# Altium PCB PCBDesign.PcbDoc (part 6 of 8)
Units mm, origin at the board's own origin, x right, y up, seen from the top; angles counter-clockwise.
Board outline 95 x 70 mm, 10 copper layers (L1 (Sig), L2 (GND), L3 (Sig), L4 (GND), L5 (Sig), L6 (GND), L7 (Sig), L8 (GND), L9 (PWR), L10 (Sig)), stack 1.566 mm thick; 290 components, 365 nets, 1923 pads, 1420 vias.
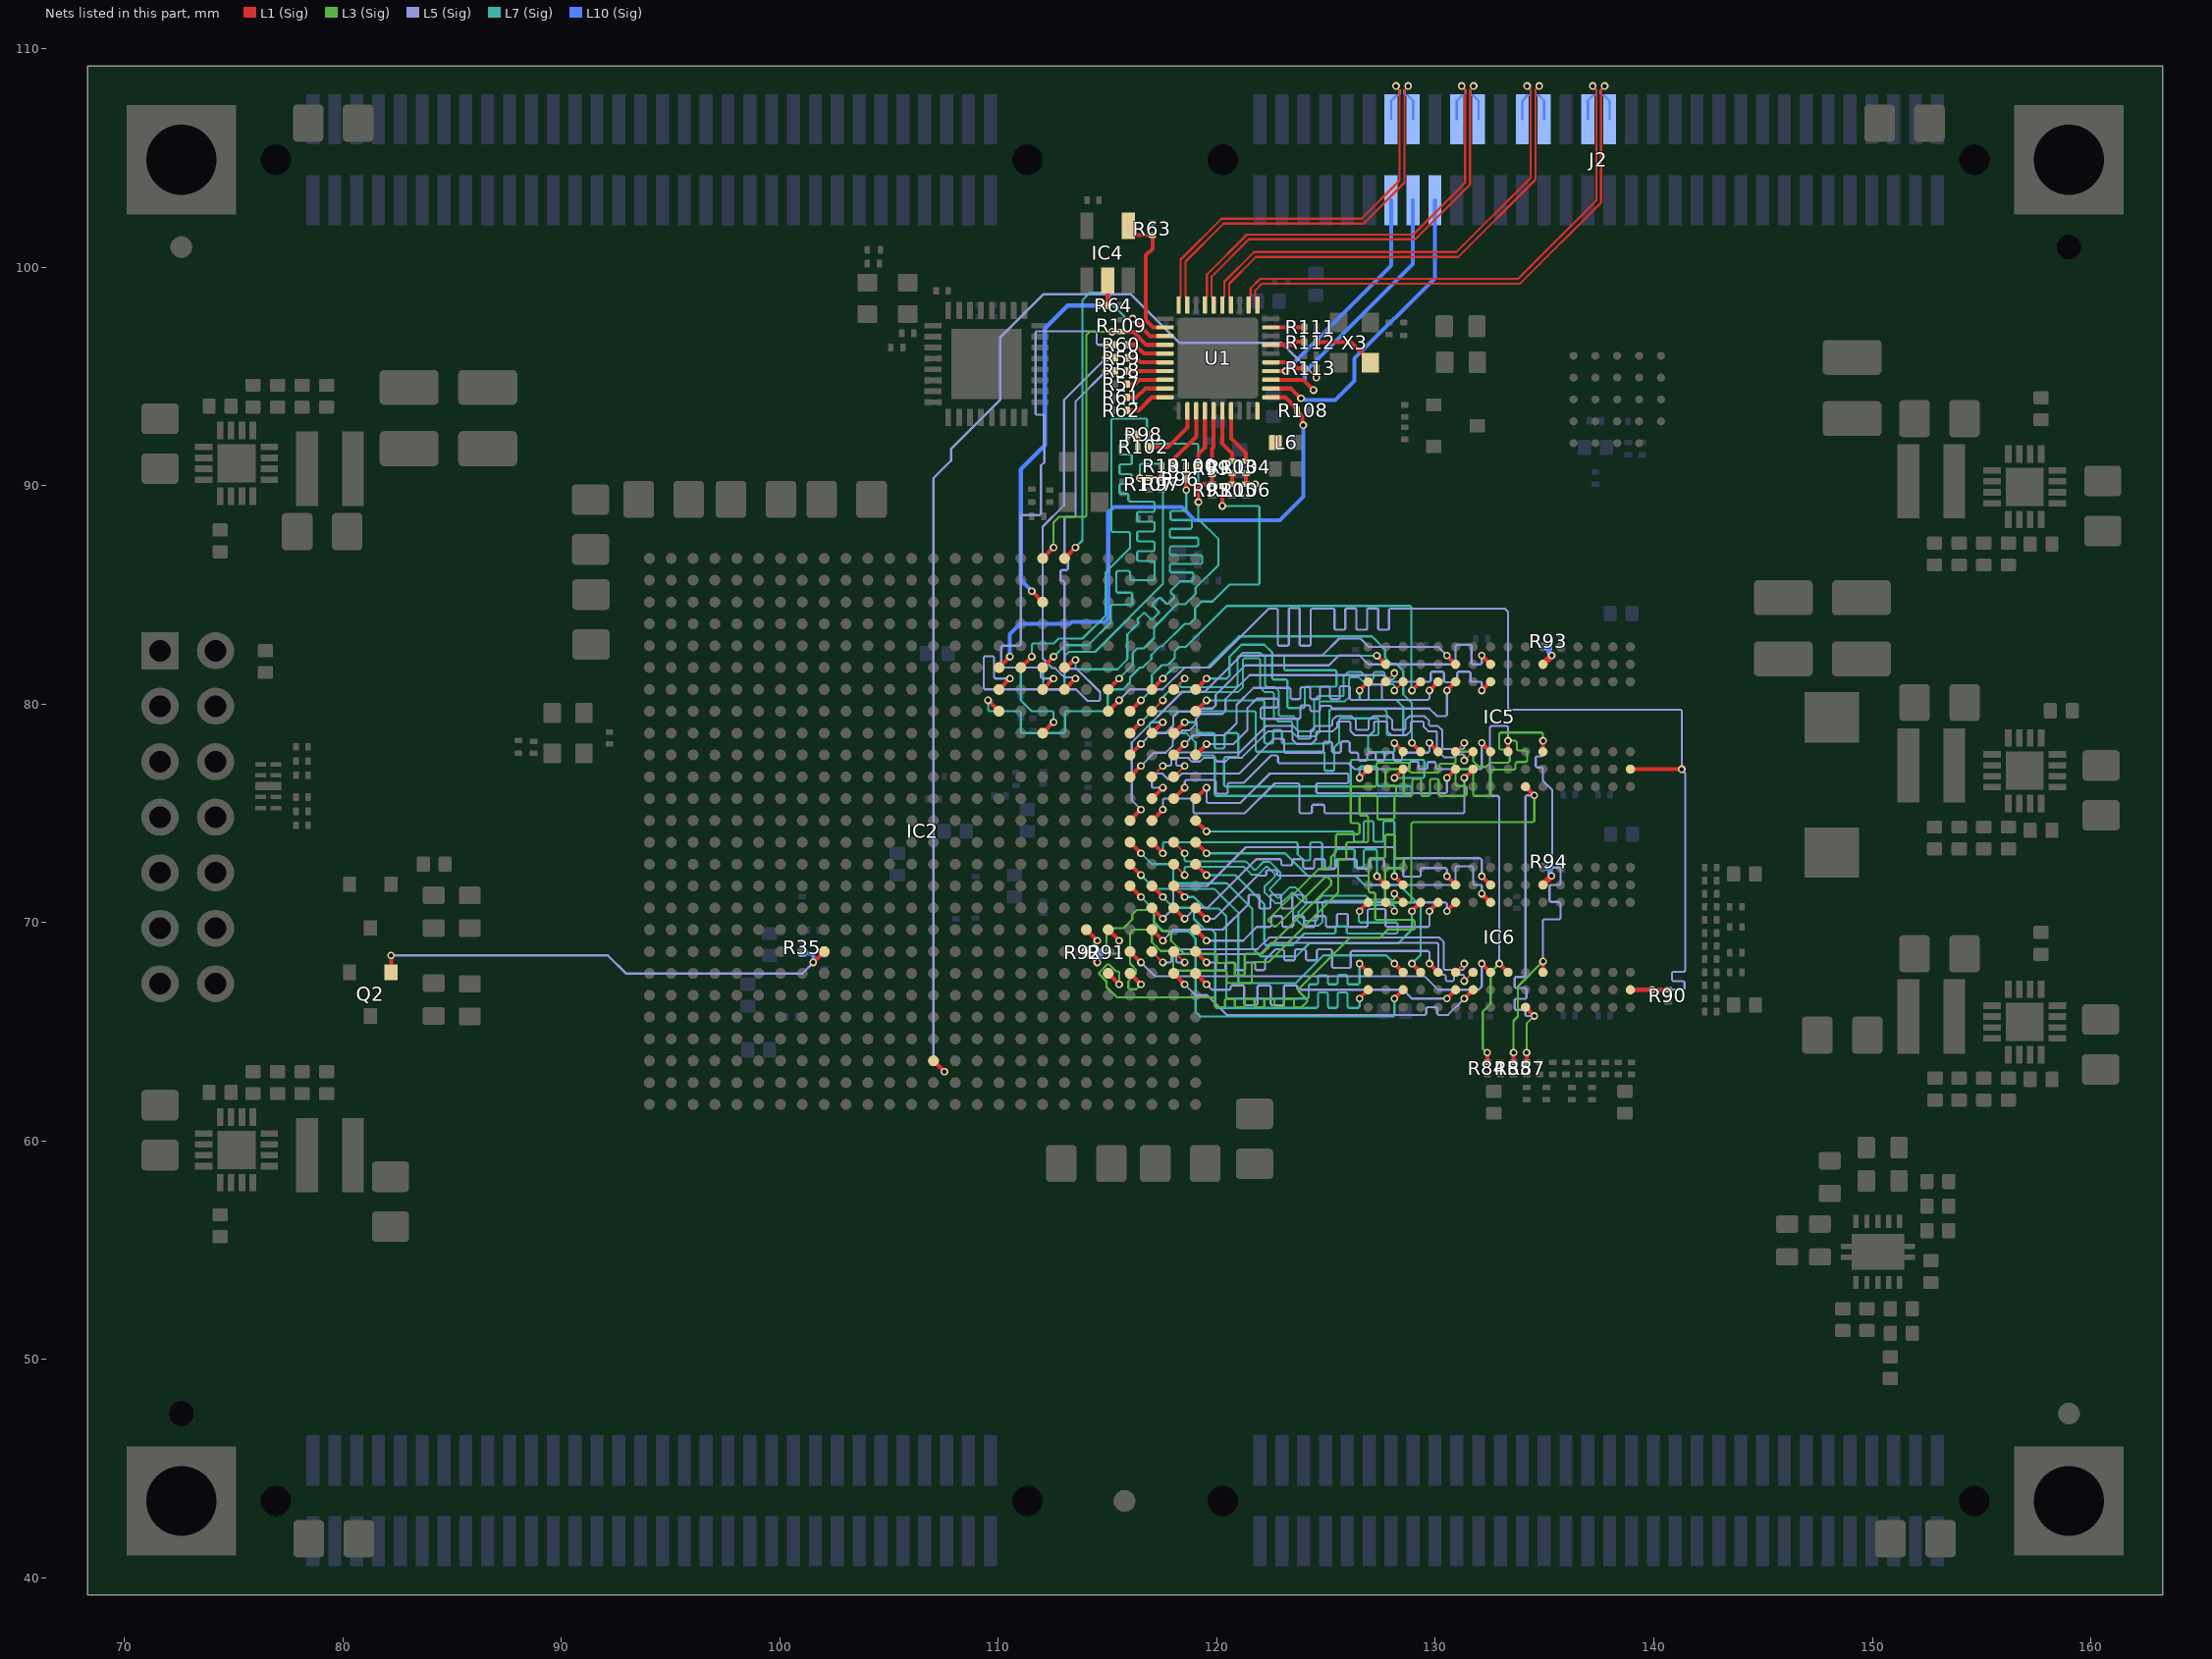
[diagram p14: the nets of this part, all layers, seen from the top]

## Via types
v1: diameter 0.35, hole 0.2, L1 (Sig) to L10 (Sig), tented both sides, 1046 vias
v2: diameter 0.45, hole 0.2, L1 (Sig) to L10 (Sig), tented both sides, 216 vias
v3: diameter 0.6, hole 0.3, L1 (Sig) to L10 (Sig), tented both sides, 95 vias
v4: diameter 0.8, hole 0.4, L1 (Sig) to L10 (Sig), tented both sides, 41 vias
v5: diameter 0.45, hole 0.3, L1 (Sig) to L10 (Sig), tented both sides, 22 vias

## Nets (pads, with @x,y where several pads share a name; then routed paths per layer and width w, separated by ;. In a path a pad name is that pad's centre, name@x,y a point inside that pad or via, vN(x,y) a via of type N, cw(c..) or ccw(c..) an arc to the next point about the centre after c; other vN are vias at no path point) (continued)
DDR_D2: IC2.J25 IC5.C2 | length 20.8
  L1 (Sig) w0.185: IC2.J25@118.025,78.675 v1(118.525,79.175) ; v1(128.125,76.625) IC5.C2@128.525,77.025
  L7 (Sig) w0.1: v1(118.525,79.175) 119.016,79.175 119.075,79.116 119.075,78.734 119.134,78.675 119.841,78.675 119.9,78.616 119.9,78.034 119.959,77.975 120.291,77.975 120.35,78.034 120.35,78.616 120.409,78.675 120.916,78.675 120.975,78.616 120.975,77.634 120.916,77.575 120.384,77.575 120.325,77.516 120.325,76.284 120.384,76.225 124.75,76.225 126.066,76.225 126.125,76.284 126.125,77.391 126.184,77.45 129.441,77.45 129.5,77.391 129.5,76.684 129.441,76.625 v1(128.125,76.625)
DDR_D3: IC2.G26 IC5.B8 | length 19.8
  L1 (Sig) w0.185: IC2.G26@119.026,80.675 v1(119.525,81.173) ; v1(127.325,82.223) IC5.B8@127.725,81.825
  L7 (Sig) w0.1: v1(119.525,81.173) 120.448,81.173 120.575,81.3 120.575,82.175 121.125,82.725 122.175,82.725 122.525,82.375 122.525,81.184 122.584,81.125 123.166,81.125 123.225,81.066 123.225,79.884 123.284,79.825 123.966,79.825 124.025,79.884 124.025,80.741 124.084,80.8 124.75,80.8 125.416,80.8 125.475,80.859 125.475,81.491 125.416,81.55 124.75,81.55 123.134,81.55 123.075,81.609 123.075,82.164 123.134,82.223 124.75,82.223 125.459,82.223 v1(127.325,82.223)
DDR_D4: IC2.H26 IC5.A7 | length 19.7
  L1 (Sig) w0.185: IC2.H26@119.025,79.675 v1(119.525,80.175) ; v1(126.525,80.625) IC5.A7@126.925,81.025
  L7 (Sig) w0.1: v1(119.525,80.175) 122.116,80.175 122.175,80.116 122.175,78.259 122.234,78.2 122.516,78.2 122.575,78.259 122.575,78.766 122.634,78.825 122.916,78.825 122.975,78.766 122.975,78.259 123.034,78.2 125.091,78.2 125.15,78.259 125.15,79.7 125.225,79.775 127.65,79.775 127.775,79.65 127.775,78.634 127.834,78.575 128.466,78.575 128.525,78.634 128.525,79.875 128.2,80.2 126.584,80.2 126.525,80.259 v1(126.525,80.625)
DDR_D5: IC2.H23 IC5.D7 | length 19.8
  L1 (Sig) w0.185: IC2.H23@116.025,79.675 v1(116.525,80.175) ; v1(128.925,80.625) IC5.D7@129.325,81.025
  L7 (Sig) w0.1: v1(116.525,80.175) 117.025,80.675 117.025,81.325 117.487,81.787 117.738,81.787 118.075,82.125 118.075,82.425 118.275,82.625 118.575,82.625 120.225,84.275 120.45,84.5 124.75,84.5 128.841,84.5 128.9,84.441 128.9,80.65 v1(128.925,80.625)
DDR_D6: IC2.J24 IC5.A2 | length 20.9
  L1 (Sig) w0.185: IC2.J24@117.025,78.675 v1(117.525,79.175) ; v1(126.525,76.625) IC5.A2@126.925,77.025
  L7 (Sig) w0.1: v1(117.525,79.175) 116.984,79.175 116.925,79.116 116.925,78.734 116.984,78.675 118.6,78.675 119.025,78.25 119.025,77.709 119.084,77.65 119.841,77.65 119.9,77.591 119.9,75.859 119.959,75.8 120.225,75.8 124.75,75.8 128.841,75.8 128.9,75.859 128.9,76.191 128.841,76.25 127.409,76.25 127.35,76.309 127.35,77.091 127.291,77.15 126.584,77.15 126.525,77.091 v1(126.525,76.625)
DDR_D7: IC2.J23 IC5.C3 | length 20.6
  L1 (Sig) w0.185: IC2.J23@116.025,78.675 v1(116.525,79.175) ; v1(128.125,78.223) IC5.C3@128.525,77.825
  L7 (Sig) w0.1: v1(116.525,79.175) 117.025,79.675 121.716,79.675 121.775,79.616 121.775,77.884 121.834,77.825 124.866,77.825 124.925,77.766 124.925,77.009 124.984,76.95 125.316,76.95 125.375,77.009 125.375,78.025 125.6,78.25 125.6,79.291 125.659,79.35 127.341,79.35 127.4,79.291 127.4,78.634 127.341,78.575 126.984,78.575 126.925,78.516 126.925,77.859 126.984,77.8 128.066,77.8 128.125,77.859 v1(128.125,78.223)
DDR_D8: IC2.K26 IC5.F7 | length 18.4
  L1 (Sig) w0.185: IC2.K26@119.025,77.675 v1(119.525,78.175) ; v1(130.525,80.625) IC5.F7@130.925,81.025
  L5 (Sig) w0.1: v1(119.525,78.175) 120.75,78.175 121.4,78.825 121.4,79.825 121.825,80.25 122.741,80.25 122.8,80.191 122.8,79.909 122.741,79.85 122.059,79.85 122,79.791 122,79.384 122.059,79.325 123.766,79.325 123.825,79.384 123.825,79.891 123.884,79.95 124.216,79.95 124.275,79.891 124.275,79.734 124.334,79.675 124.666,79.675 124.725,79.734 124.725,79.866 124.75,79.891 124.784,79.925 125.175,79.925 125.3,79.8 129.725,79.8 130.075,79.45 130.466,79.45 130.525,79.509 v1(130.525,80.625)
DDR_D9: IC2.L23 IC5.H7 | length 21.3
  L1 (Sig) w0.185: IC2.L23@116.025,76.675 v1(116.525,77.175) ; v1(132.125,80.625) IC5.H7@132.525,81.025
  L5 (Sig) w0.1: v1(116.525,77.175) 117.125,77.775 117.65,77.775 117.975,78.1 117.975,78.35 118.425,78.8 118.75,78.8 119.05,79.1 119.05,79.325 119.275,79.55 120.25,79.55 120.4,79.7 120.4,80.225 121.5,81.325 127.675,81.325 127.975,81.025 129.673,81.025 129.723,81.025 129.784,81.086 129.784,81.422 129.844,81.482 130.331,81.482 130.392,81.422 130.392,81.064 130.452,81.003 130.939,81.003 131,81.064 131,81.422 131.06,81.482 131.547,81.482 131.608,81.422 131.608,81.086 131.668,81.025 131.85,81.025 132.066,81.025 132.125,80.966 v1(132.125,80.625)
DDR_D10: IC2.M26 IC5.F2 | length 17.9
  L1 (Sig) w0.185: IC2.M26@119.025,75.675 v1(119.525,76.175) ; v1(130.525,76.625) IC5.F2@130.925,77.025
  L5 (Sig) w0.1: v1(119.525,76.175) 119.525,75.534 119.584,75.475 121.075,75.475 122.425,76.825 124.75,76.825 125.966,76.825 126.025,76.766 126.025,76.434 125.966,76.375 124.75,76.375 124.609,76.375 124.55,76.316 124.55,75.984 124.609,75.925 124.75,75.925 130.466,75.925 130.525,75.984 v1(130.525,76.625)
DDR_D11: IC2.K23 IC5.H8 | length 21.3
  L1 (Sig) w0.185: IC2.K23@116.025,77.675 v1(116.525,78.175) ; v1(132.125,82.225) IC5.H8@132.525,81.825
  L5 (Sig) w0.1: v1(116.525,78.175) 117.025,78.675 117.65,78.675 118,79.025 118,79.425 118.225,79.65 118.875,79.65 119.025,79.8 119.8,79.8 119.95,79.95 119.95,80.425 120.225,80.7 121.3,81.775 124.75,81.775 125.125,81.775 125.575,82.225 126.525,82.225 126.925,81.825 130.866,81.825 130.925,81.884 130.925,82.666 130.984,82.725 131.591,82.725 131.65,82.666 131.65,81.884 131.709,81.825 132.066,81.825 132.125,81.884 v1(132.125,82.225)
DDR_D12: IC2.M25 IC5.H3 | length 19.3
  L1 (Sig) w0.185: IC2.M25@118.025,75.675 v1(118.525,76.175) ; v1(132.125,78.225) IC5.H3@132.525,77.825
  L5 (Sig) w0.1: v1(118.525,76.175) 118.525,76.468 118.584,76.527 119.891,76.527 119.95,76.468 119.95,75.959 120.009,75.9 120.441,75.9 120.5,75.959 120.5,76.341 120.559,76.4 121.225,76.4 122.475,77.65 122.741,77.65 122.8,77.591 122.8,77.359 122.859,77.3 124.75,77.3 126.025,77.3 126.3,77.025 128.766,77.025 128.825,77.084 128.825,77.316 128.884,77.375 129.166,77.375 129.225,77.316 129.225,77.084 129.284,77.025 129.566,77.025 129.625,77.084 129.625,77.291 129.684,77.35 129.966,77.35 130.025,77.291 130.025,77.084 130.084,77.025 132.066,77.025 132.125,77.084 v1(132.125,78.225)
DDR_D13: IC2.N24 IC5.G2 | length 20.3
  L1 (Sig) w0.185: IC2.N24@117.025,74.675 v1@117.524,75.173 ; v1(131.325,76.625) IC5.G2@131.725,77.025
  L5 (Sig) w0.1: v1(117.525,75.173) 117.525,75.616 117.584,75.675 118.866,75.675 118.925,75.616 118.925,75.059 118.984,75 121.275,75 122.65,76.375 123.716,76.375 123.775,76.316 123.775,75.059 123.834,75 124.291,75 124.35,75.059 124.35,75.341 124.409,75.4 124.75,75.4 124.866,75.4 124.925,75.341 124.925,75.059 124.984,75 131.266,75 131.325,75.059 v1(131.325,76.625)
DDR_D14: IC2.M24 IC5.E3 | length 20.4
  L1 (Sig) w0.185: IC2.M24@117.025,75.675 v1(117.525,76.175) ; v1(129.725,78.225) IC5.E3@130.125,77.825
  L5 (Sig) w0.1: v1(117.525,76.175) 117.084,76.175 117.025,76.234 117.025,76.766 117.084,76.825 117.5,76.825 117.775,76.55 118.125,76.55 118.4,76.825 121.025,76.825 122.625,78.425 123.016,78.425 123.075,78.366 123.075,77.834 123.134,77.775 124.816,77.775 124.875,77.834 124.875,78.216 124.934,78.275 125.216,78.275 125.275,78.216 125.275,77.834 125.334,77.775 125.616,77.775 125.675,77.834 125.675,78.241 125.734,78.3 126.016,78.3 126.075,78.241 126.075,77.834 126.134,77.775 126.416,77.775 126.475,77.716 126.475,77.484 126.534,77.425 126.816,77.425 126.875,77.484 126.875,77.716 126.934,77.775 127.216,77.775 127.275,77.716 127.275,77.484 127.334,77.425 127.616,77.425 127.675,77.484 127.675,77.716 127.734,77.775 128.016,77.775 128.075,77.716 128.075,77.484 128.134,77.425 128.416,77.425 128.475,77.484 128.475,77.716 128.534,77.775 129.666,77.775 129.725,77.834 v1(129.725,78.225)
DDR_D15: IC2.N23 IC5.F8 | length 21.2
  L1 (Sig) w0.185: IC2.N23@116.025,74.675 v1(116.525,75.175) ; v1(130.525,82.225) IC5.F8@130.925,81.825
  L5 (Sig) w0.1: v1(116.525,75.175) 116.1,75.6 116.1,78.25 118.425,80.575 119.45,80.575 120.225,81.35 121.1,82.225 124.75,82.225 124.825,82.225 125.6,83 126.575,83 126.95,82.625 130.125,82.625 v1(130.525,82.225)
DDR_D16: IC2.R26 IC6.A7 | length 15.8
  L1 (Sig) w0.185: IC2.R26@119.026,72.675 v1(119.525,72.177) ; v1(126.525,70.525) IC6.A7@126.925,70.925
  L7 (Sig) w0.1: v1(119.525,72.177) 120.848,72.177 122.175,70.85 122.175,69.034 122.234,68.975 123.475,68.975 124,69.5 124.75,69.5 125.366,69.5 125.425,69.559 125.425,69.766 125.484,69.825 125.891,69.825 125.95,69.766 125.95,69.559 126.009,69.5 128.216,69.5 128.275,69.559 128.275,69.941 128.216,70 126.559,70 126.5,70.059 126.5,70.5 v1(126.525,70.525)
DDR_D17: IC2.P24 IC6.B8 | length 17.7
  L1 (Sig) w0.185: IC2.P24@117.025,73.675 v1(117.525,73.175) ; v1(127.327,72.123) IC6.B8@127.725,71.725
  L7 (Sig) w0.1: v1(117.525,73.175) 117.525,73.616 117.584,73.675 123.641,73.675 123.7,73.616 123.7,73.125 123.975,72.85 124.216,72.85 124.275,72.909 124.275,73.616 124.334,73.675 124.75,73.675 124.825,73.6 124.825,72.509 124.884,72.45 125.341,72.45 125.4,72.509 125.4,73.316 125.459,73.375 126.241,73.375 126.3,73.316 126.3,72.584 126.359,72.525 126.666,72.525 126.725,72.584 126.725,73.291 126.784,73.35 127.268,73.35 127.327,73.291 v1(127.327,72.123)
DDR_D18: IC2.N26 IC6.C8 | length 15.4
  L1 (Sig) w0.185: IC2.N26@119.025,74.675 v1(119.525,74.175) ; v1(128.125,72.125) IC6.C8@128.525,71.725
  L7 (Sig) w0.1: v1(119.525,74.175) 120.225,74.175 124.75,74.175 126.216,74.175 126.275,74.116 126.275,73.759 126.334,73.7 126.666,73.7 126.725,73.759 126.725,74.25 126.725,74.5 126.725,74.591 126.784,74.65 127.116,74.65 127.175,74.591 127.175,74.5 127.175,74.25 127.175,73.759 127.234,73.7 127.566,73.7 127.625,73.759 127.625,74.25 127.625,74.5 127.625,74.591 127.684,74.65 128.066,74.65 128.125,74.591 128.125,74.5 128.125,74.25 v1(128.125,72.125)
DDR_D19: IC2.P23 IC6.D7 | length 18.4
  L1 (Sig) w0.185: IC2.P23@116.025,73.675 v1(116.525,73.175) ; v1(128.925,70.525) IC6.D7@129.325,70.925
  L7 (Sig) w0.1: v1(116.525,73.175) 117.025,72.675 117.8,72.675 118,72.475 118,71.925 118.125,71.8 120.225,71.8 120.45,71.8 121.625,70.625 121.625,68.825 122,68.45 123.625,68.45 124.225,69.05 124.75,69.05 128.3,69.05 128.925,69.675 v1(128.925,70.525)
DDR_D20: IC2.T24 IC6.A2 | length 17.5
  L1 (Sig) w0.185: IC2.T24@117.025,71.675 v1(117.525,71.175) ; v1(126.525,66.525) IC6.A2@126.925,66.925
  L7 (Sig) w0.1: v1(117.525,71.175) 118.025,70.675 118.8,70.675 118.95,70.525 118.95,70.175 119.425,69.7 119.75,69.7 119.925,69.525 119.925,66.159 119.984,66.1 124.566,66.1 124.625,66.159 124.625,66.741 124.684,66.8 124.75,66.8 125.016,66.8 125.075,66.741 125.075,66.159 125.134,66.1 125.466,66.1 125.525,66.159 125.525,66.741 125.584,66.8 125.916,66.8 125.975,66.741 125.975,66.159 126.034,66.1 126.466,66.1 126.525,66.159 v1(126.525,66.525)
DDR_D21: IC2.T25 IC6.A3 | length 16.2
  L1 (Sig) w0.185: IC2.T25@118.025,71.675 v1(118.525,71.175) ; v1(126.525,68.125) IC6.A3@126.925,67.725
  L7 (Sig) w0.1: v1(118.525,71.175) 118.95,71.175 119.475,70.65 120.075,70.65 120.425,70.3 120.425,66.584 120.484,66.525 124.141,66.525 124.2,66.584 124.2,67.116 124.259,67.175 124.566,67.175 124.625,67.234 124.625,67.516 124.684,67.575 124.75,67.575 125.016,67.575 125.075,67.516 125.075,67.234 125.134,67.175 125.466,67.175 125.525,67.234 125.525,67.541 125.584,67.6 125.916,67.6 125.975,67.541 125.975,67.234 126.034,67.175 126.466,67.175 126.525,67.234 v1(126.525,68.125)
DDR_D22: IC2.T23 IC6.C2 | length 18.2
  L1 (Sig) w0.185: IC2.T23@116.025,71.675 v1(116.525,71.175) ; v1(128.125,66.525) IC6.C2@128.525,66.925
  L7 (Sig) w0.1: v1(116.525,71.175) 117.125,70.575 117.125,70.025 117.55,69.6 118.7,69.6 119.025,69.275 119.025,65.9 119.225,65.7 120.225,65.7 128.066,65.7 128.125,65.759 v1(128.125,66.525)
DDR_D23: IC2.R23 IC6.C3 | length 17.4
  L1 (Sig) w0.185: IC2.R23@116.025,72.675 v1(116.525,72.175) ; v1(128.125,68.125) IC6.C3@128.525,67.725
  L7 (Sig) w0.1: v1(116.525,72.175) 117.15,71.55 119.875,71.55 120.225,71.2 120.975,70.45 120.975,67.325 121.075,67.225 123.6,67.225 124.75,68.375 124.875,68.5 127.75,68.5 v1(128.125,68.125)
DDR_D24: IC2.V24 IC6.F7 | length 18.3
  L1 (Sig) w0.185: IC2.V24@117.025,69.675 v1(117.525,69.175) ; v1(130.525,70.525) IC6.F7@130.925,70.925
  L5 (Sig) w0.1: v1(117.525,69.175) 118.025,69.675 120.275,69.675 121.4,70.8 121.45,70.85 121.45,71.229 121.5,71.279 121.9,71.279 121.95,71.229 121.95,70.696 122,70.646 122.4,70.646 122.45,70.696 122.45,71.229 122.5,71.279 122.9,71.279 122.95,71.229 122.95,70.696 123,70.646 123.4,70.646 123.45,70.696 123.45,71.229 123.5,71.279 123.9,71.279 123.95,71.229 123.95,70.984 124.009,70.925 124.325,70.925 130.466,70.925 130.525,70.866 v1(130.525,70.525)
DDR_D25: IC2.U26 IC6.H7 | length 17.3
  L1 (Sig) w0.185: IC2.U26@119.025,70.675 v1(119.525,70.175) ; v1(132.125,71.325) IC6.H7@132.525,70.925
  L5 (Sig) w0.1: v1(119.525,70.175) 119.875,70.175 121.85,72.15 122.2,72.15 122.259,72.209 122.259,72.341 122.317,72.4 122.7,72.4 122.759,72.341 122.759,72.209 122.817,72.15 126.891,72.15 126.95,72.091 126.95,71.784 127.009,71.725 130.866,71.725 130.925,71.784 130.925,72.516 130.984,72.575 131.666,72.575 131.725,72.516 131.725,71.784 131.784,71.725 132.066,71.725 132.125,71.666 v1(132.125,71.325)
DDR_D26: IC2.U24 IC6.H8 | length 18.9
  L1 (Sig) w0.185: IC2.U24@117.025,70.675 v1(117.525,70.175) ; v1(132.125,72.125) IC6.H8@132.525,71.725
  L5 (Sig) w0.1: v1(117.525,70.175) 118,70.65 118,71.5 118.175,71.675 119.55,71.675 121.325,73.45 124.75,73.45 128.066,73.45 128.125,73.391 128.125,73.009 128.184,72.95 132.05,72.95 132.125,72.875 v1(132.125,72.125)
DDR_D27: IC2.U25 IC6.F8 | length 18.3
  L1 (Sig) w0.185: IC2.U25@118.025,70.675 v1(118.525,70.175) ; v1(130.525,72.125) IC6.F8@130.925,71.725
  L5 (Sig) w0.1: v1(118.525,70.175) 119.025,70.675 119.575,70.675 121.8,72.9 122.891,72.9 122.95,72.841 122.95,72.684 123.009,72.625 123.391,72.625 123.45,72.684 123.45,72.841 123.509,72.9 123.891,72.9 123.95,72.841 123.95,72.534 124.009,72.475 124.391,72.475 124.45,72.534 124.45,72.841 124.509,72.9 124.891,72.9 124.95,72.841 124.95,72.534 125.009,72.475 125.391,72.475 125.45,72.534 125.45,72.841 125.509,72.9 126.341,72.9 126.4,72.841 126.4,72.534 126.459,72.475 126.966,72.475 127.025,72.534 127.025,72.825 127.1,72.9 127.591,72.9 127.65,72.841 127.65,72.559 127.709,72.5 128.466,72.5 128.525,72.441 128.525,72.159 128.584,72.1 129.266,72.1 129.325,72.159 129.325,72.441 129.384,72.5 130.466,72.5 130.525,72.441 v1(130.525,72.125)
DDR_D28: IC2.W26 IC6.E3 | length 17.3
  L1 (Sig) w0.185: IC2.W26@119.025,68.675 v1(119.525,68.175) ; v1(129.725,68.125) IC6.E3@130.125,67.725
  L5 (Sig) w0.1: v1(119.525,68.175) 119.891,68.175 119.95,68.116 119.95,67.884 120.009,67.825 120.341,67.825 120.4,67.884 120.4,68.116 120.459,68.175 120.791,68.175 120.85,68.116 120.85,67.884 120.909,67.825 121.241,67.825 121.3,67.884 121.3,68.116 121.359,68.175 121.691,68.175 121.75,68.116 121.75,67.884 121.809,67.825 122.141,67.825 122.2,67.884 122.2,68.3 122.675,68.775 123.016,68.775 123.075,68.716 123.075,68.334 123.134,68.275 123.516,68.275 123.575,68.334 123.575,68.716 123.634,68.775 124.016,68.775 124.075,68.716 124.075,68.334 124.134,68.275 124.516,68.275 124.575,68.334 124.575,68.716 124.634,68.775 125.216,68.775 125.275,68.716 125.275,67.984 125.334,67.925 126.066,67.925 126.125,67.984 126.125,68.641 126.184,68.7 129.666,68.7 129.725,68.641 v1(129.725,68.125)
DDR_D29: IC2.Y25 IC6.G2 | length 15.5
  L1 (Sig) w0.185: IC2.Y25@118.025,67.675 v1(118.525,67.175) ; v1(131.325,66.525) IC6.G2@131.725,66.925
  L5 (Sig) w0.1: v1(118.525,67.175) 119.025,66.675 119.55,66.675 120.45,65.775 129.475,65.775 129.525,65.775 129.584,65.834 129.584,66.077 129.634,66.127 130.034,66.127 130.084,66.077 130.084,65.834 130.142,65.775 130.343,65.775 130.575,65.775 v1(131.325,66.525)
DDR_D30: IC2.Y26 IC6.F2 | length 16.2
  L1 (Sig) w0.185: IC2.Y26@119.025,67.675 v1(119.525,67.175) ; v1(130.525,66.525) IC6.F2@130.925,66.925
  L5 (Sig) w0.1: v1(119.525,67.175) 119.775,66.925 120.525,66.925 120.575,66.925 120.636,66.986 120.636,67.071 120.697,67.132 121.183,67.132 121.244,67.071 121.244,66.284 121.305,66.224 121.791,66.224 121.852,66.284 121.852,67.071 121.913,67.132 122.399,67.132 122.46,67.071 122.46,66.284 122.521,66.224 123.007,66.224 123.068,66.284 123.068,67.071 123.129,67.132 123.615,67.132 123.676,67.071 123.676,66.986 123.737,66.925 124.35,66.925 128.525,66.925 128.925,66.525 v1(130.525,66.525)
DDR_D31: IC2.W23 IC6.H3 | length 18.5
  L1 (Sig) w0.185: IC2.W23@116.025,68.675 v1(116.525,68.175) ; v1(132.125,68.125) IC6.H3@132.525,67.725
  L5 (Sig) w0.1: v1(116.525,68.175) 117.15,67.55 120.225,67.55 124.75,67.55 129.5,67.55 130.125,66.925 131.975,66.925 132.125,67.075 v1(132.125,68.125)
DDR_DM0: IC2.G24 IC5.D3 | length 17.4
  L1 (Sig) w0.185: IC2.G24@117.025,80.675 v1(117.525,81.175) ; v1(128.925,78.225) IC5.D3@129.325,77.825
  L7 (Sig) w0.1: v1(117.525,81.175) 118.025,81.675 119.575,81.675 120.225,82.325 121,83.1 124.75,83.1 127.1,83.1 127.7,82.5 127.7,82.125 127.975,81.85 128.2,81.85 128.525,81.525 128.525,80.45 128.925,80.05 v1(128.925,78.225)
DDR_DM1: IC2.K25 IC5.E7 | length 19.2
  L1 (Sig) w0.185: IC2.K25@118.025,77.675 v1(118.525,78.175) ; v1(129.725,80.625) IC5.E7@130.125,81.025
  L5 (Sig) w0.1: v1(118.525,78.175) 118.925,78.575 120.35,78.575 120.9,79.125 120.9,79.975 121.675,80.75 123.316,80.75 123.375,80.691 123.375,80.284 123.434,80.225 123.766,80.225 123.825,80.284 123.825,80.716 123.884,80.775 124.216,80.775 124.275,80.716 124.275,80.284 124.334,80.225 124.666,80.225 124.725,80.284 124.725,80.741 124.784,80.8 125.116,80.8 125.175,80.741 125.175,80.284 125.234,80.225 125.566,80.225 125.625,80.284 125.625,80.766 125.684,80.825 126.016,80.825 126.075,80.766 126.075,80.259 126.134,80.2 126.891,80.2 126.95,80.259 126.95,80.841 127.009,80.9 127.491,80.9 127.55,80.841 127.55,80.259 127.609,80.2 129.666,80.2 129.725,80.259 v1(129.725,80.625)
DDR_DM2: IC2.P26 IC6.D3 | length 14.9
  L1 (Sig) w0.185: IC2.P26@119.025,73.675 v1(119.525,73.175) ; v1(128.925,68.125) IC6.D3@129.325,67.725
  L7 (Sig) w0.1: v1(119.525,73.175) 120.225,73.175 123.125,73.175 124.175,72.125 124.75,72.125 126.36,72.125 126.76,71.725 128.35,71.725 129.325,70.75 129.325,68.525 v1(128.925,68.125)
DDR_DM3: IC2.V26 IC6.E7 | length 17.6
  L1 (Sig) w0.185: IC2.V26@119.025,69.675 v1(119.525,69.175) ; v1(129.725,70.525) IC6.E7@130.125,70.925
  L5 (Sig) w0.1: v1(119.525,69.175) 121.2,69.175 121.825,69.8 122.433,69.8 122.491,69.859 122.491,70.241 122.55,70.3 122.933,70.3 122.991,70.241 122.991,69.859 123.05,69.8 123.433,69.8 123.491,69.859 123.491,70.241 123.55,70.3 123.933,70.3 123.991,70.241 123.991,69.859 124.05,69.8 124.433,69.8 124.491,69.859 124.491,70.241 124.55,70.3 124.933,70.3 124.991,70.241 124.991,69.859 125.05,69.8 125.433,69.8 125.491,69.859 125.491,70.341 125.55,70.4 125.933,70.4 125.991,70.341 125.991,69.859 126.05,69.8 126.841,69.8 126.9,69.859 126.9,70.566 126.959,70.625 127.666,70.625 127.725,70.566 127.725,69.859 127.784,69.8 129.666,69.8 129.725,69.859 v1(129.725,70.525)